# Altium PCB RFFE.PcbDoc (part 5 of 7)
Units mm, origin at the board's own origin, x right, y up, seen from the top; angles counter-clockwise.
Board outline 301.13 x 195.92 mm, 10 copper layers (RFsignal Top, Ground RF signal, Supply, SupplyGND, Digital signal, DigitalGND, CallTone RF, Ground Calltone, Ground RF signal (Plane6), RFsignal Bottom), stack 1.907 mm thick; 558 components, 369 nets, 2153 pads, 4580 vias.
Unrouted connection lines stored in the file: 1.
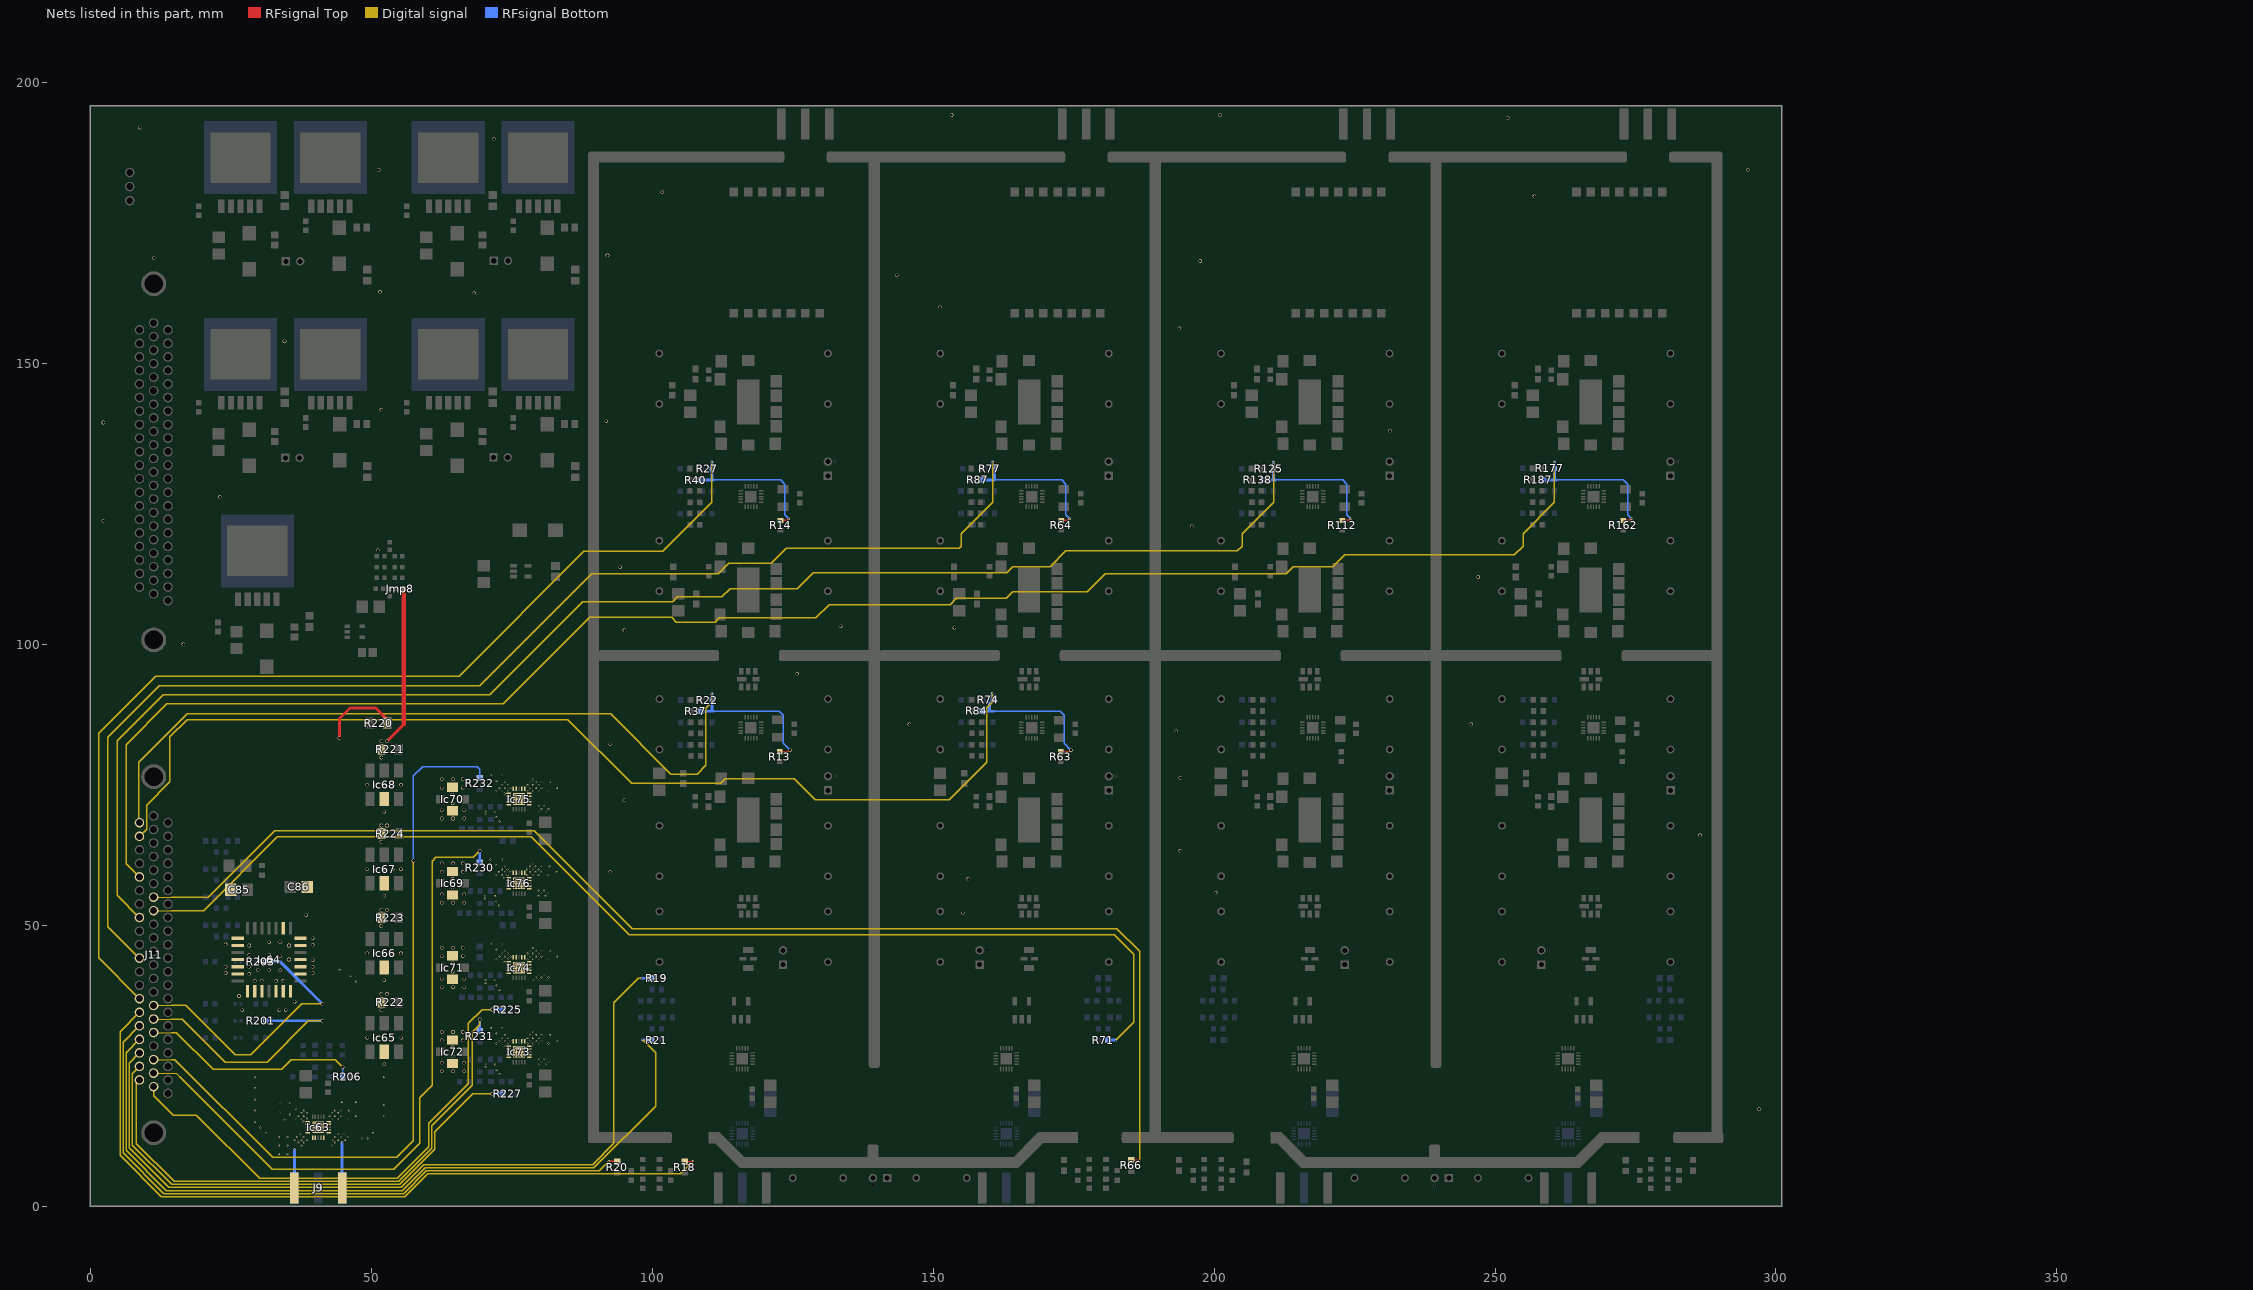
[diagram p13: the nets of this part, all layers, seen from the top]

## Via types
v1: diameter 0.35, hole 0.254, RFsignal Top to RFsignal Bottom, 1882 vias
v2: diameter 0.635, hole 0.508, RFsignal Top to RFsignal Bottom, 1038 vias
v3: diameter 0.33, hole 0.254, RFsignal Top to RFsignal Bottom, 963 vias
v4: diameter 0.381, hole 0.254, RFsignal Top to RFsignal Bottom, 596 vias
v5: diameter 1.27, hole 0.762, RFsignal Top to RFsignal Bottom, 41 vias
v6: diameter 3.9, hole 2.65, RFsignal Top to RFsignal Bottom, 20 vias
v7: diameter 0.85, hole 0.8, RFsignal Top to RFsignal Bottom, 15 vias
v8: diameter 0.635, hole 0.508, RFsignal Top to RFsignal Bottom, tented bottom, 9 vias
v9: diameter 0.6, hole 0.508, RFsignal Top to RFsignal Bottom, 8 vias
v10: diameter 5, hole 3.5, RFsignal Top to RFsignal Bottom, 4 vias
v11: diameter 1.1, hole 1, RFsignal Top to RFsignal Bottom, 2 vias
v12: diameter 1.27, hole 0.762, RFsignal Top to RFsignal Bottom, tented top, 1 vias
v13: diameter 0.85, hole 0.8, RFsignal Top to RFsignal Bottom, tented top, 1 vias

## Nets (pads, with @x,y where several pads share a name; then routed paths per layer and width w, separated by ;. In a path a pad name is that pad's centre, name@x,y a point inside that pad or via, vN(x,y) a via of type N, cw(c..) or ccw(c..) an arc to the next point about the centre after c; other vN are vias at no path point) (continued)
NetJ11_28: J11.28 R66.2 | length 228
  RFsignal Top w0.254: R66.2@185.25,8.15 v3(186.75,8.15)
  Digital signal w0.127: J11.28@11.21,54.995 14.337,54.995
  Digital signal w0.254: 14.337,54.995 20.962,54.995 32.782,66.815 78.959,66.815 96.379,49.396 182.704,49.396 186.75,45.35 v3(186.75,8.15)
NetJ11_29: J11.29 R71.1 | length 206.6
  Digital signal w0.127: J11.29@11.21,52.585 14.337,52.585
  Digital signal w0.254: 14.337,52.585 20.091,52.585 33.233,65.727 78.464,65.727 95.915,48.276 182.241,48.276 185.662,44.855 185.662,32.712 v3(182.5,29.55)
  RFsignal Bottom w0.508: R71.1@181.05,29.57 v3@182.48,29.57
NetJ11_36: J11.36 R203.1 | length 50.7
  Digital signal w0.127: J11.36@11.21,35.715 14.337,35.715
  Digital signal w0.254: 14.337,35.715 16.925,35.715 25.693,26.947 28.473,26.947 37.526,36 v2(41.25,36)
  RFsignal Bottom w0.508: R203.1@31.1,43.5 33.75,43.5 v2(41.25,36)
NetJ11_37: J11.37 R201.1 | length 46.4
  Digital signal w0.127: J11.37@11.21,33.305 14.337,33.305
  Digital signal w0.254: 14.337,33.305 16.315,33.305 23.974,25.646 31.414,25.646 38.769,33 v2(41.25,33)
  RFsignal Bottom w0.508: R201.1@31.1,33 v2(41.25,33)
NetJ11_38: J11.38 R206.1 | length 39.4
  Digital signal w0.127: J11.38@11.21,30.895 14.337,30.895
  Digital signal w0.254: 14.337,30.895 15.205,30.895 21.77,24.33 33.97,24.33 35.74,26.1 43.5,26.1 v2(44.85,24.75)
  RFsignal Bottom w0.254: R206.1@44.87,23.03 v2@44.87,24.73
NetJ11_40: J11.40 R232.2 | length 133.9
  Digital signal w0.127: J11.40@11.21,26.075 14.337,26.075
  Digital signal w0.254: 14.337,26.075 14.998,26.075 32.393,8.68 54.47,8.68 57.45,11.66 v2(57.45,61.5)
  RFsignal Bottom w0.254: v2(57.45,61.5) 57.45,76.6 59.1,78.25 68.8,78.25 69.25,77.8 R232.2@69.25,76.2
NetJ11_41: J11.41 R230.2 | length 118.7
  Digital signal w0.127: J11.41@11.21,23.665 15.205,23.665 15.84,23.03
  Digital signal w0.254: 15.84,23.03 32.284,6.586 53.915,6.586 58.544,11.215 58.544,19.263 60.78,21.499 60.78,61.43 61.45,62.1 68.1,62.1 v2(69.25,63.25)
  RFsignal Bottom w0.508: R230.2@69.25,61.2 v2(69.25,63.25)
NetJ11_42: J11.42 R225.2 | length 91
  Digital signal w0.254: J11.42@11.21,21.255 11.21,19.65 14.659,16.201 18.821,16.201 30.069,4.954 54.591,4.954 60.176,10.539 60.176,14.716 67.21,21.75 67.21,32.55 69.66,35 v2(71.5,35)
  RFsignal Bottom w0.508: v2(71.5,35) R225.2@73.3,35
NetJ11_43: J11.43 R13.1 R22.2 R37.2 | length 160.5
  RFsignal Top w0.254: R13.1@122.66,80.89 124.22,80.89 v2(124.51,81.18)
  Digital signal w0.254: J11.43@8.67,68.25 8.568,68.352 8.568,79.038 17.14,87.61 92.571,87.61 103.281,76.9 107.95,76.9 109.498,78.448 109.498,88.658 110.58,89.74 v4(110.58,91.27)
  RFsignal Bottom w0.254: 110.9,88.1 122.58,88.1 123.33,87.35 123.33,82.36 v2(124.51,81.18)
  RFsignal Bottom w0.508: R37.2@108.6,88.1 110.9,88.1 ; R22.2@110.58,90.12 v4(110.58,91.27) ; 110.6,88.11 R22.2@110.6,90.1
NetJ11_44: J11.44 R63.1 R74.2 R84.2 | length 215.8
  RFsignal Top w0.254: R63.1@172.66,80.89 174.22,80.89 v2(174.51,81.18)
  Digital signal w0.254: J11.44@8.67,65.84 9.937,67.107 9.937,71.407 14.11,75.58 14.11,83.57 17.14,86.6 84.95,86.6 96.3,75.25 112.178,75.25 112.97,76.042 125.208,76.042 128.95,72.3 152.797,72.3 159.498,79.001 159.498,88.708 160.48,89.69 v4(160.48,91.32)
  RFsignal Bottom w0.254: 160.9,88.1 172.58,88.1 173.33,87.35 173.33,82.36 v2(174.51,81.18)
  RFsignal Bottom w0.508: R84.2@158.5,88.1 159.99,88.1 ; R74.2@160.48,90.12 v4@160.48,91.27 ; R74.2@160.6,90.15 160.577,90.15 159.99,89.563 159.99,88.1 ; 160.8,88.1 159.99,88.1
NetJ11_47: J11.47 R162.1 R177.2 R187.2 | length 332.4
  RFsignal Top w0.254: R162.1@272.8,122.08 273.99,122.08 v4(274.29,122.38)
  Digital signal w0.254: J11.47@8.67,58.61 6.315,60.965 6.315,82.16 13.569,89.414 73.445,89.414 88.839,104.808 103.413,104.808 104.253,103.968 111.138,103.968 111.87,104.7 129.079,104.7 131.433,107.055 152.986,107.055 154.108,108.177 162.953,108.177 164.135,109.359 177.372,109.359 180.613,112.6 212.87,112.6 214.058,113.788 221.111,113.788 223.273,115.95 253.446,115.95 254.996,117.5 254.996,119.742 260.58,125.326 v4(260.58,132.44)
  RFsignal Bottom w0.254: 260.9,129.27 272.87,129.27 273.59,128.55 273.59,123.08 v4(274.29,122.38)
  RFsignal Bottom w0.508: R187.2@258.6,129.27 260.9,129.27 ; 260.58,129.28 R177.2@260.58,131.33 ; R177.2@260.58,131.29 v4(260.58,132.44)
NetJ11_50: J11.50 R112.1 R125.2 R138.2 | length 291.6
  RFsignal Top w0.254: R112.1@222.8,122.08 223.99,122.08 v4(224.29,122.38)
  Digital signal w0.254: J11.50@8.67,51.38 4.683,55.367 4.683,82.836 12.893,91.046 71.009,91.046 87.571,107.608 103.595,107.608 104.431,108.444 112.364,108.444 113.854,109.934 125.786,109.934 128.613,112.76 163.088,112.76 164.162,113.834 170.797,113.834 173.613,116.65 204.146,116.65 204.996,117.5 204.996,119.742 210.58,125.326 v4(210.58,132.44)
  RFsignal Bottom w0.254: 210.9,129.27 222.87,129.27 223.59,128.55 223.59,123.08 v4(224.29,122.38)
  RFsignal Bottom w0.508: R138.2@208.6,129.27 210.9,129.27 ; 210.58,129.29 R125.2@210.58,131.3 ; R125.2@210.58,131.29 v4(210.58,132.44)
NetJ11_53: J11.53 R64.1 R77.2 R87.2 | length 251.6
  RFsignal Top w0.254: R64.1@172.8,122.08 173.99,122.08 v4(174.29,122.38)
  Digital signal w0.254: J11.53@8.67,44.15 3.051,49.769 3.051,83.512 12.217,92.678 69.271,92.678 89.173,112.58 111.74,112.58 113.59,114.43 121.123,114.43 123.793,117.1 154.596,117.1 154.996,117.5 154.996,119.742 160.58,125.326 v4(160.58,132.44)
  RFsignal Bottom w0.254: 160.9,129.27 172.87,129.27 173.59,128.55 173.59,123.08 v4(174.29,122.38)
  RFsignal Bottom w0.508: R87.2@158.6,129.27 160.9,129.27 160.9,130.97 R77.2@160.6,131.27 ; R77.2@160.58,131.29 v4(160.58,132.44)
NetJ11_56: J11.56 R14.1 R27.2 R40.2 | length 210.1
  RFsignal Top w0.254: R14.1@122.8,122.08 123.99,122.08 v4(124.29,122.38)
  Digital signal w0.254: J11.56@8.67,36.92 1.419,44.171 1.419,84.188 11.541,94.31 65.571,94.31 87.805,116.544 101.798,116.544 110.58,125.326 v4(110.58,132.44) v4@110.548,132.408
  RFsignal Bottom w0.254: 110.9,129.27 122.87,129.27 123.59,128.55 123.59,123.08 v4(124.29,122.38)
  RFsignal Bottom w0.508: R40.2@108.6,129.27 110.9,129.27 ; 110.58,129.29 R27.2@110.58,131.25 ; R27.2@110.58,131.29 v4(110.58,132.44)
NetJ11_57: J11.57 R18.2 | length 136.1
  RFsignal Top w0.254: R18.2@105.75,7.9 107.15,7.9 v3(107.25,8)
  Digital signal w0.254: J11.57@8.67,34.51 5.227,31.067 5.227,9.023 12.56,1.69 55.943,1.69 59.993,5.74 104.99,5.74 v3(107.25,8)
NetJ11_58: J11.58 R20.2 | length 117.2
  RFsignal Top w0.254: v3(92.25,8) R20.2@93.75,8
  Digital signal w0.254: J11.58@8.67,32.1 5.771,29.201 5.771,9.479 13.016,2.234 55.717,2.234 59.767,6.284 90.534,6.284 v3(92.25,8)
NetJ11_59: J11.59 R21.1 | length 138.4
  Digital signal w0.254: J11.59@8.67,29.69 6.315,27.335 6.315,9.935 13.472,2.778 55.492,2.778 59.542,6.828 89.578,6.828 100.55,17.8 100.55,27.3 v3(98.25,29.6)
  RFsignal Bottom w0.508: v3(98.25,29.6) R21.1@99.77,29.6
NetJ11_60: J11.60 R19.1 | length 143.6
  Digital signal w0.254: J11.60@8.67,27.28 6.859,25.469 6.859,10.391 13.928,3.322 55.267,3.322 59.317,7.372 89.353,7.372 93.15,11.169 93.15,36.23 97.47,40.55 v3(98,40.55)
  RFsignal Bottom w0.508: v3@98.02,40.57 R19.1@99.8,40.57
NetJ11_61: J11.61 R227.2 | length 91.9
  Digital signal w0.254: J11.61@8.67,24.87 7.403,23.603 7.403,10.847 14.384,3.866 55.041,3.866 61.264,10.089 61.264,13.264 68,20 v2(71.5,20)
  RFsignal Bottom w0.508: v2(71.5,20) R227.2@73.3,20
NetJ11_62: J11.62 R231.2 | length 97.9
  Digital signal w0.254: J11.62@8.67,22.46 8.12,21.91 8.12,11.13 14.84,4.41 54.816,4.41 60.72,10.314 60.72,14.35 67.91,21.54 67.91,30.94 69.25,32.28 v2(69.25,33.25)
  RFsignal Bottom w0.508: R231.2@69.25,31.2 v2(69.25,33.25)
PGND: C85.2 C86.1 Ic63.1 Ic63.2 Ic63.4 Ic63.5 Ic63.6 Ic63.7 Ic63.9 Ic63.10 Ic63.11 Ic63.12 Ic63.14 Ic63.15 Ic63.21 Ic64.2 Ic64.3 Ic64.4 Ic64.6 Ic64.7 Ic64.8 Ic64.10 Ic64.11 Ic64.17 Ic64.19 Ic64.20 Ic64.22 Ic64.23 Ic64.24 Ic64.26 Ic64.27 Ic64.28 Ic65.2 Ic66.2 Ic67.2 Ic68.2 Ic69.2 Ic69.4 Ic70.2 Ic70.4 Ic71.2 Ic71.4 Ic72.2 Ic72.4 Ic73.1 Ic73.2 Ic73.4 Ic73.5 Ic73.6 Ic73.7 Ic73.9 Ic73.10 Ic73.11 Ic73.12 Ic73.14 Ic73.15 Ic73.21 Ic74.1 Ic74.2 Ic74.4 Ic74.5 Ic74.6 Ic74.7 Ic74.9 Ic74.10 Ic74.11 Ic74.12 Ic74.14 Ic74.15 Ic74.21 Ic75.1 Ic75.2 Ic75.4 Ic75.5 Ic75.6 Ic75.7 Ic75.9 Ic75.10 Ic75.11 Ic75.12 Ic75.14 Ic75.15 Ic75.21 Ic76.1 Ic76.2 Ic76.4 Ic76.5 Ic76.6 Ic76.7 Ic76.9 Ic76.10 Ic76.11 Ic76.12 Ic76.14 Ic76.15 Ic76.21 J9.1 J9.2 J9.3 J9.4 Jmp8.1 R220.1 R221.1 R222.1 R223.2 R224.2 | length 57.6
  RFsignal Top w0.508: v2(44.27,83.28) 44.27,86.79 46.13,88.65 50.73,88.65 52.8,86.58 R220.1@52.8,86 ; v2(52.74,82.76) 55.75,85.77
  RFsignal Top w0.762: 55.75,85.77 Jmp8.1@55.75,109.95
  RFsignal Bottom w0.508: J9.2@36.251,3.24 v3@36.251,10.049 ; J9.1@44.751,3.24 v3(44.75,11.3)
  other v1: 48.25,12 49.25,12 31.25,13 50.25,13 30.25,14 29.25,15 52.25,16 29.25,17 52.25,18 29.25,19 29.25,21 29.25,23 52.25,23 47.25,40 46.25,41 44.25,42
  other v2: 297,17.25 62.5,24 64.5,24 66.5,24 52.25,25.25 62.5,25.5 66.5,25.5 64.4,26.75 64.4,28.25 62.5,29.5 66.25,29.5 49.25,30 50.75,30 52.25,30 53.75,30 55.25,30 62.5,31 64.5,31 66.25,31 51.76,34.88 26.95,34.9 33.6,34.9 34.75,34.9 36.3,36.4 26.4,37.4 51.75,37.77 52.75,37.77 62.5,39 64.5,39 66.5,39 29.2,40.1 30.45,40.1 33,40.1 34.3,40.1 52.24,40.24 62.5,40.5 66.5,40.5 28.2,41.35 39.5,41.45 24,41.5 64.4,41.75 29.75,42 31.75,42 33.75,42 24,42.6 28.2,42.6 39.5,42.6 64.4,43.25 39.5,43.8 35.3,43.9 33.75,44.5 62.5,44.5 66.25,44.5 28.25,44.75 31.75,44.76 49.24,44.99 50.74,44.99 52.24,44.99 53.74,44.99 55.24,44.99 62.5,46 64.5,46 66.25,46 28.2,46.4 35.3,46.4 39.5,46.5 24,46.6 31.75,47 33.75,47 39.5,47.7 51.75,49.87 38.35,51.8 155.25,52.25 51.74,52.76 52.74,52.76 62.5,54 64.5,54 66.5,54 52.24,55.24 62.5,55.5 66.5,55.5 200.25,55.75 64.4,56.75 64.4,58.25 156.25,58.25 62.5,59.5 66.25,59.5 92.5,59.5 49.24,59.99 50.74,59.99 52.24,59.99 53.74,59.99 55.24,59.99 62.5,61 64.5,61 66.25,61 194,63.25 51.75,64.87 286.5,66 51.74,67.76 52.74,67.76 62.5,69 64.5,69 66.5,69 52.24,70.24 62.5,70.5 66.5,70.5 64.4,71.75 95,72.25 64.4,73.25 62.5,74.5 66.25,74.5 49.24,74.99 50.74,74.99 52.24,74.99 53.74,74.99 55.24,74.99 62.5,76 64.5,76 66.25,76 194,76.25 51.75,79.87 92.5,82.25 51.74,82.76 193.25,84.5 145.75,85.75 245.75,85.75 125.75,94.75 16.5,100 95,102.5 153.75,103 133.5,103.25 247,112 94.25,113.75 51.11,116.74 196,121 2.25,122 23,126.25 231.25,138 2.25,139.5 91.75,139.75 51.75,141.75 34.5,154 193.75,156.25 151.25,160 68.25,162.5 51.5,162.75 143.5,165.75 197.5,168.25 11.25,168.75 92,169.25 257,179.75 101.75,180.5 51.25,184.5 295,184.5 71.75,190 8.75,192 252.25,193.75 153.25,194.25 201,194.25
  other v3: 33.5,9.3 35,9.3 36.25,10.05 33.5,10.8 35,10.8 37.5,10.8 43,10.8 37,11.3 38,11.3 43.5,11.3 36.25,11.8 37.5,11.8 38.5,11.8 43.1,11.8 44,11.8 45.25,11.8 33.5,12.3 35,12.3 36.75,12.3 37.9,12.3 43.5,12.3 44.5,12.3 45.75,12.3 37.25,12.8 44,12.8 45,12.8 39.75,13.3 40.25,13.3 40.75,13.3 41.25,13.3 39.75,13.8 40.25,13.8 40.75,13.8 41.25,13.8 39.75,14.3 40.25,14.3 40.75,14.3 41.25,14.3 39.75,14.8 40.25,14.8 40.75,14.8 41.25,14.8 37.9,15.05 34.5,15.3 36.5,15.55 37.5,15.55 43,15.55 44,15.55 45.75,15.55 38.5,15.575 37,16.05 38,16.05 42.5,16.05 43.5,16.05 44.5,16.05 47.25,16.05 35.5,16.3 37.5,16.55 38.5,16.55 43,16.55 44,16.55 33.75,16.8 38,17.05 43.5,17.05 44.5,17.05 46,17.05 36.5,17.3 33.75,18.3 35.5,18.3 44.75,18.55 47.25,18.55 72.75,23.5 72.25,24.25 70.25,24.75 72,25.2 79.75,25.2 81,25.2 70.25,25.25 80.25,25.7 81.5,25.7 79.75,26.2 80.75,26.2 75.5,26.7 76,26.7 76.5,26.7 77,26.7 75.5,27.2 76,27.2 76.5,27.2 77,27.2 75.5,27.7 76,27.7 76.5,27.7 77,27.7 75.5,28.2 76,28.2 76.5,28.2 77,28.2 73.65,28.45 72.25,28.95 73.25,28.95 77.75,28.95 78.75,28.95 79.75,28.95 81.5,28.95 74.25,28.975 72.75,29.45 73.75,29.45 74.725,29.45 78.25,29.45 79.25,29.45 80.25,29.45 83,29.45 73.25,29.95 74.25,29.95 77.75,29.95 78.75,29.95 79.75,29.95 73.75,30.45 78.25,30.45 79.25,30.45 80.25,30.45 81.75,30.45 72.25,30.7 78.75,30.95 71.25,31.7 73.25,31.7 72.75,38.5 72.25,39.25 70.25,39.75 72,40.2 78.85,40.2 79.75,40.2 81,40.2 70.25,40.25 79.25,40.7 80.25,40.7 81.5,40.7 79.75,41.2 80.75,41.2 75.5,41.7 76,41.7 76.5,41.7 77,41.7 75.5,42.2 76,42.2 76.5,42.2 77,42.2 75.5,42.7 76,42.7 76.5,42.7 77,42.7 75.5,43.2 76,43.2 76.5,43.2 77,43.2 73.65,43.45 72.25,43.95 73.25,43.95 77.75,43.95 78.75,43.95 79.75,43.95 81.5,43.95 74.25,43.975 72.75,44.45 73.75,44.45 74.725,44.45 78.25,44.45 79.25,44.45 80.25,44.45 83,44.45 73.25,44.95 74.25,44.95 77.75,44.95 78.75,44.95 79.75,44.95 73.75,45.45 78.25,45.45 79.25,45.45 80.25,45.45 81.75,45.45 72.25,45.7 78.75,45.95 71.25,46.7 73.25,46.7 72.7,53.5 72.2,54.25 70.2,54.75 71.95,55.2 79.7,55.2 80.95,55.2 70.2,55.25 80.2,55.7 81.45,55.7 79.7,56.2 80.7,56.2 75.45,56.7 75.95,56.7 76.45,56.7 76.95,56.7 75.45,57.2 75.95,57.2 76.45,57.2 76.95,57.2 75.45,57.7 75.95,57.7 76.45,57.7 76.95,57.7 75.45,58.2 75.95,58.2 76.45,58.2 76.95,58.2 73.6,58.45 72.2,58.95 73.2,58.95 77.7,58.95 78.7,58.95 79.7,58.95 81.45,58.95 74.2,58.975 72.7,59.45 73.7,59.45 74.675,59.45 78.2,59.45 79.2,59.45 80.2,59.45 82.95,59.45 73.2,59.95 74.2,59.95 77.7,59.95 78.7,59.95 79.7,59.95 73.7,60.45 78.2,60.45 79.2,60.45 80.2,60.45 81.7,60.45 72.2,60.7 78.7,60.95 71.2,61.7 73.2,61.7 72.75,68.5 72.25,69.25 70.25,69.75 72,70.2 79.75,70.2 81,70.2 70.25,70.25 80.25,70.7 81.5,70.7 79.75,71.2 80.75,71.2 75.5,71.7 76,71.7 76.5,71.7 77,71.7 75.5,72.2 76,72.2 76.5,72.2 77,72.2 75.5,72.7 76,72.7 76.5,72.7 77,72.7 75.5,73.2 76,73.2 76.5,73.2 77,73.2 73.65,73.45 72.25,73.95 73.25,73.95 77.75,73.95 78.75,73.95 79.75,73.95 81.5,73.95 74.25,73.975 72.75,74.45 73.75,74.45 74.725,74.45 78.25,74.45 79.25,74.45 80.25,74.45 83,74.45 73.25,74.95 74.25,74.95 77.75,74.95 78.75,74.95 79.75,74.95 73.75,75.45 78.25,75.45 79.25,75.45 80.25,75.45 81.75,75.45 72.25,75.7 78.75,75.95 71.25,76.7 73.25,76.7